# Altium PCB BLDC_DRIVER_1.1_one_side.PcbDoc (part 3 of 3)
Units mil, origin at the board's own origin, x right, y up, seen from the top; angles counter-clockwise.
Board outline 6000 x 4990 mil, 2 copper layers (Top Layer, Bottom Layer), stack 15.5 mil thick; 192 components, 186 nets, 852 pads, 446 vias.
Unrouted connection lines stored in the file: 8.
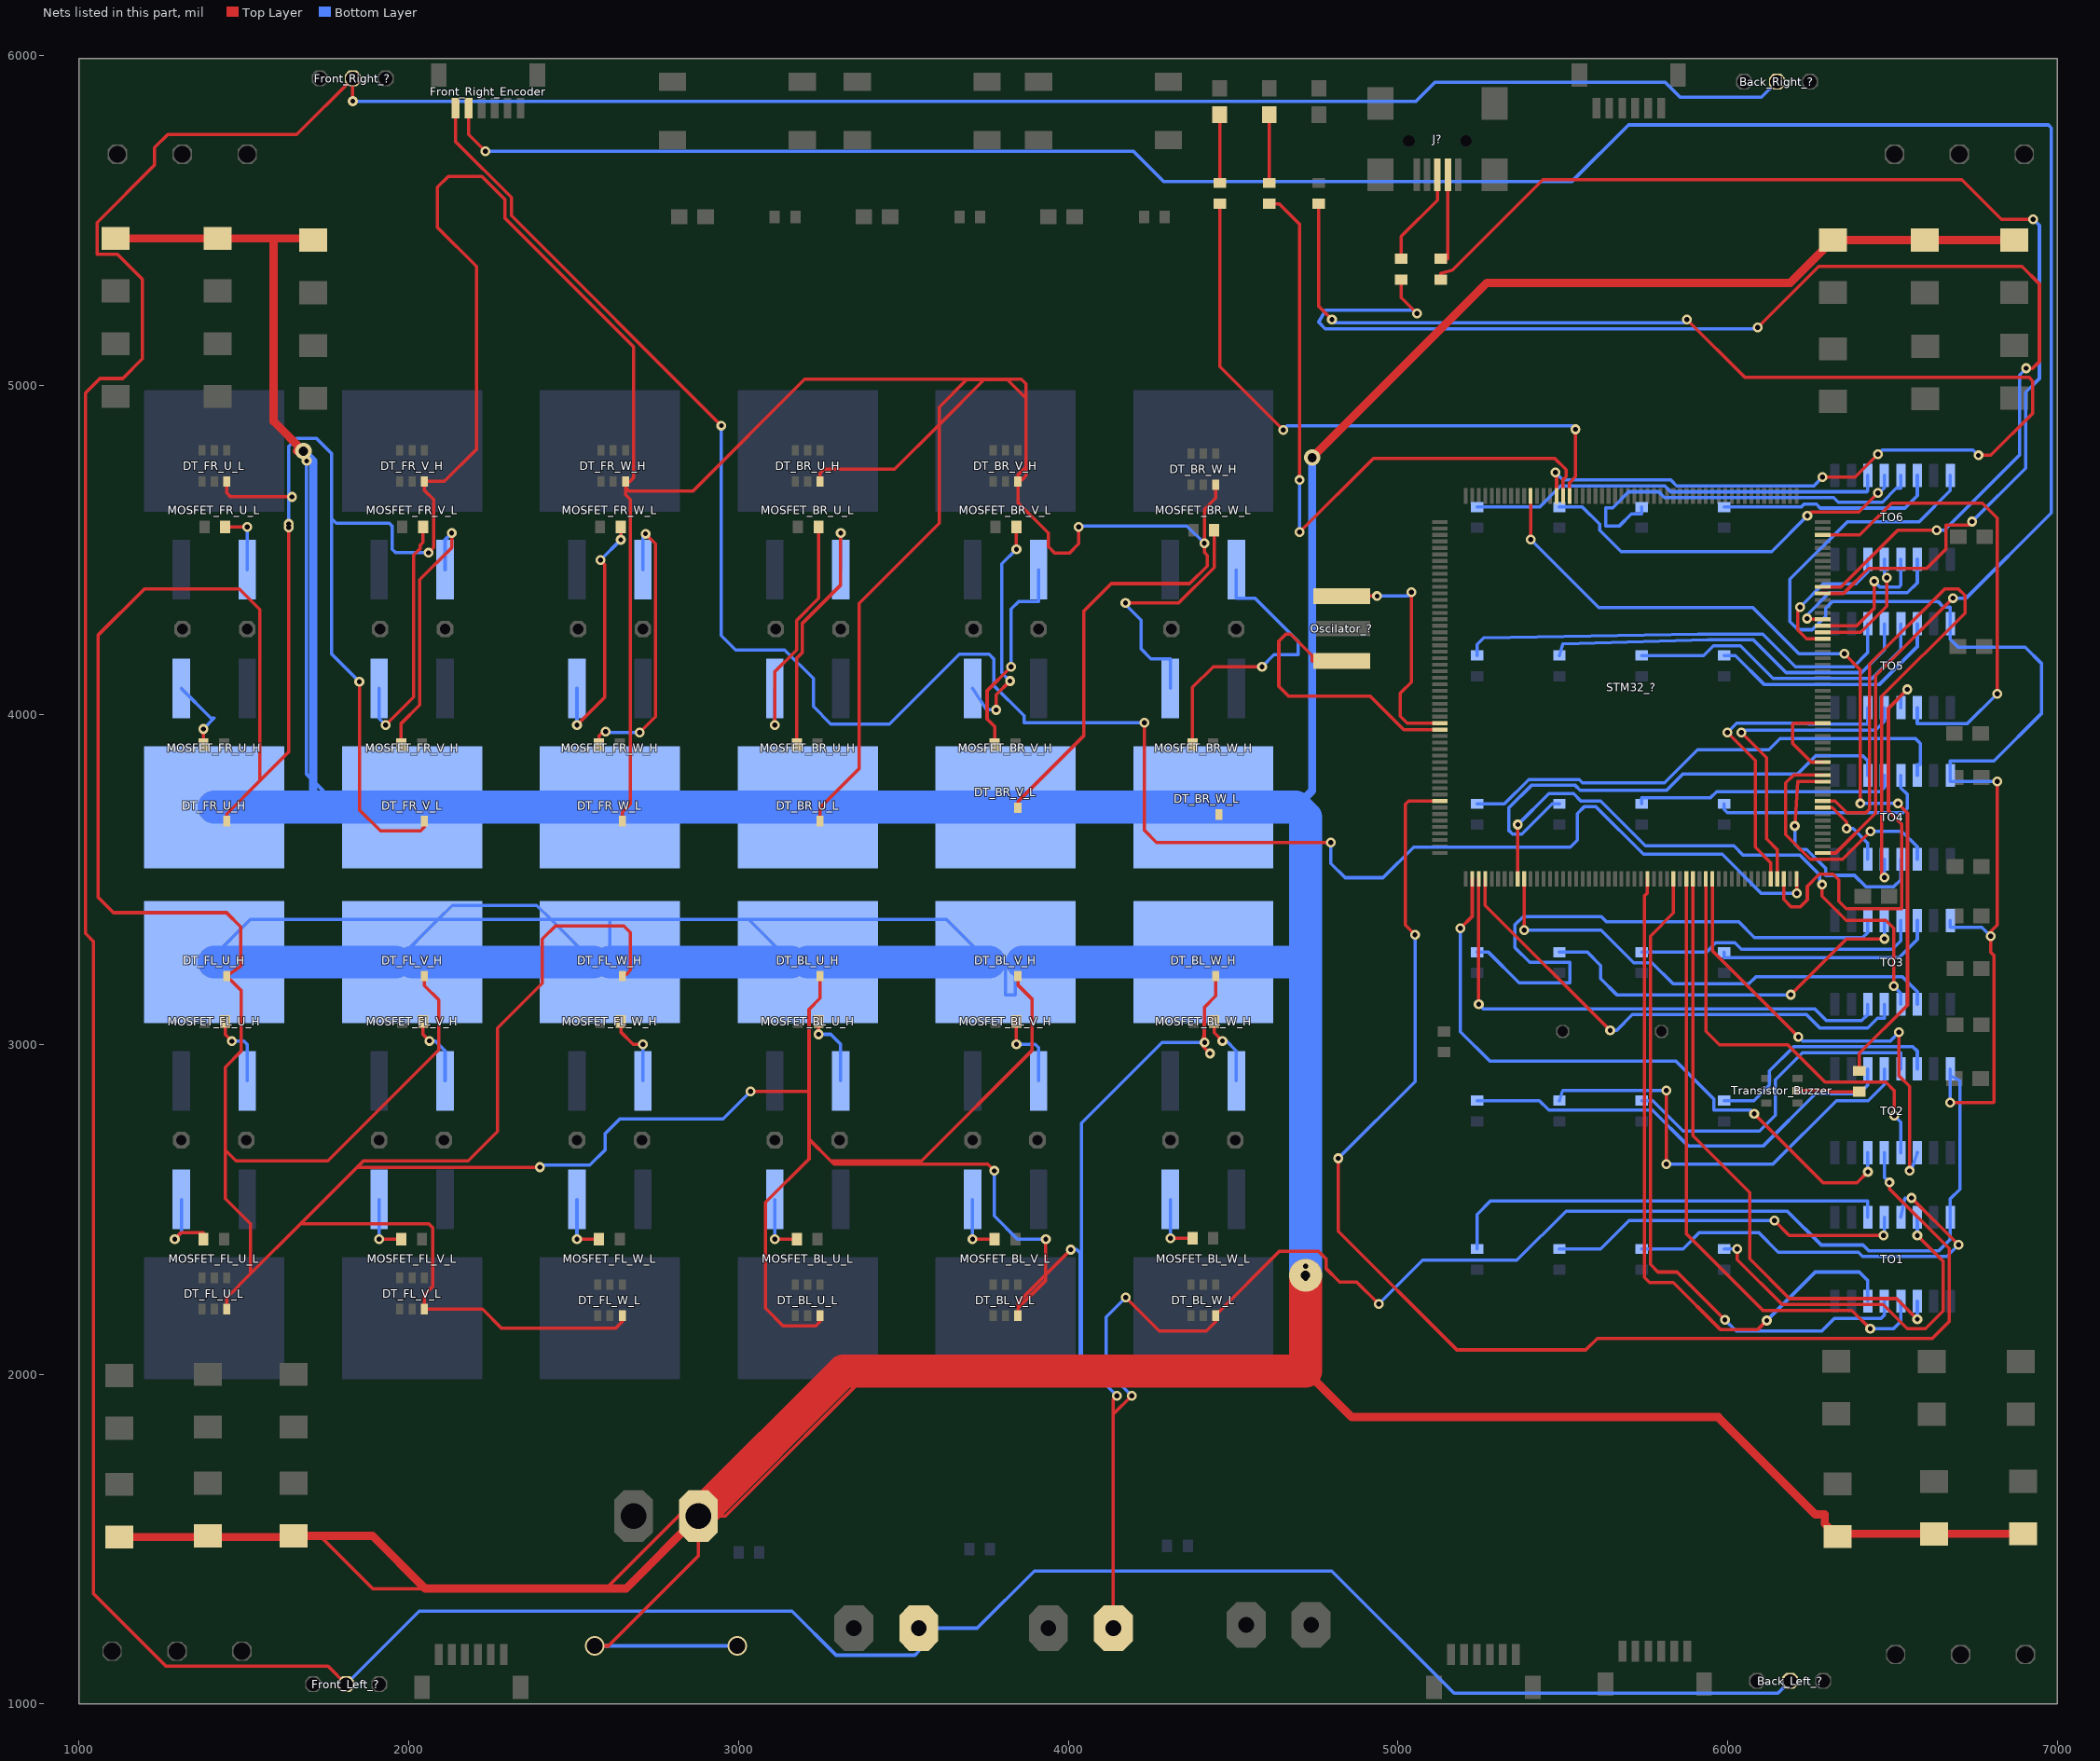
[diagram p3: the nets of this part, all layers, seen from the top]

## Via types
v1: diameter 30, hole 15, Top Layer to Bottom Layer, 425 vias
v2: diameter 50, hole 28, Top Layer to Bottom Layer, 14 vias
v3: diameter 160, hole 160, Top Layer to Bottom Layer, 4 vias
v4: diameter 59.06, hole 47.24, Top Layer to Bottom Layer, 2 vias
v5: diameter 100, hole 28, Top Layer to Bottom Layer, 1 vias

## Nets (pads, with @x,y where several pads share a name; then routed paths per layer and width w, separated by ;. In a path a pad name is that pad's centre, name@x,y a point inside that pad or via, vN(x,y) a via of type N, cw(c..) or ccw(c..) an arc to the next point about the centre after c; other vN are vias at no path point) (continued)
NetFront_Right_Encoder_5: Front_Right_Encoder.5 STM32_?.105 | length 7546.9
  Top Layer w10: Front_Right_Encoder.5@2181.34,5839.61 2181.34,5759.66 v1(2232,5709) ; STM32_?.105@6288.58,3580.94 6328.15,3580.94 6449,3701.8 6449,4119 v1(6684,4354)
  Bottom Layer w10: v1(2232,5709) 4198,5709 4289.25,5617.75 5528.21,5617.75 5699.46,5789 6973,5789 6982,5780 6982,4612 6724,4354 v1(6684,4354)
NetFront_Right_Encoder_6: Front_Right_Encoder.6 STM32_?.104 | length 6300.6
  Top Layer w10: Front_Right_Encoder.6@2141.97,5839.61 2141.97,5738.03 2311,5569 2311,5514 v1(2948,4877) ; v1(4231,3976) 4231,3650 4268,3613 v1(4797,3613) ; v1(6209.84,3459) STM32_?.104@6209.84,3502.2
  Bottom Layer w10: v1(2948,4877) 2948,4240 2991,4197 3140,4197 3227,4110 3227,4025 3280,3972 3458,3972 3670,4184 3760,4184 3774,4170 3774,4089 3866,3997 3866,3976 v1(4231,3976) ; v1(4797,3613) 4797,3549 4840,3506 4955,3506 5048,3599 5523,3599 5544,3620 5544,3700 5565,3721 5601,3721 5745,3577 5984,3577 6102,3459 v1(6209.84,3459)
NetG_1: G.1 R180_LED_G.2 | length 207
  Top Layer w10: R180_LED_G.2@4610,5613 G.1@4610,5820
NetJ?_2: J?.2 R22_D-.2 | length 275.9
  Top Layer w10: R22_D-.2@5130,5383 5151.5,5383 J?.2@5151.5,5637.44
NetJ?_3: J?.3 R22_D+.2 | length 300
  Top Layer w10: R22_D+.2@5010,5383 5010,5451 5120,5561 J?.3@5120,5637.44
NetMOSFET_BL_U_H_G: MOSFET_BL_U_H.G R_BL_U_H.2 | length 229.4
  Top Layer w10: v1(3243,3031) R_BL_U_H.2@3243,3070
  Bottom Layer w10: v1(3243,3031) 3280,3031 3310,3001 MOSFET_BL_U_H.G@3310,2890
NetMOSFET_BL_U_L_G: MOSFET_BL_U_L.G R_BL_U_L.2 | length 187
  Top Layer w10: v1(3110,2410) R_BL_U_L.2@3177,2410
  Bottom Layer w10: v1(3110,2410) MOSFET_BL_U_L.G@3110,2530
NetMOSFET_BL_V_H_G: MOSFET_BL_V_H.G R_BL_V_H.2 | length 241.1
  Top Layer w10: v1(3843,3001) R_BL_V_H.2@3843,3070
  Bottom Layer w10: v1(3843,3001) 3900,3001 3910,2991 MOSFET_BL_V_H.G@3910,2890
NetMOSFET_BL_V_L_G: MOSFET_BL_V_L.G R_BL_V_L.2 | length 187
  Top Layer w10: v1(3710,2410) R_BL_V_L.2@3777,2410
  Bottom Layer w10: v1(3710,2410) MOSFET_BL_V_L.G@3710,2530
NetMOSFET_BL_W_H_G: MOSFET_BL_W_H.G R_BL_W_H.2 | length 214.8
  Top Layer w10: R_BL_W_H.2@4443,3070 4443,3036 v1(4468,3011)
  Bottom Layer w10: v1(4468,3011) 4480,3011 4510,2981 MOSFET_BL_W_H.G@4510,2890
NetMOSFET_BL_W_L_G: MOSFET_BL_W_L.G R_BL_W_L.2 | length 184.7
  Top Layer w10: v1(4310,2412.28) R_BL_W_L.2@4377,2412.28
  Bottom Layer w10: v1(4310,2412.28) MOSFET_BL_W_L.G@4310,2530
NetMOSFET_BR_U_H_G: MOSFET_BR_U_H.G R_BR_U_H.2 | length 767.1
  Top Layer w10: v1(3110,3969) 3110,4130.85 3176.15,4197 3176.15,4286.15 3243,4353 R_BR_U_H.2@3243,4570
  Bottom Layer w10: v1(3110,3969) MOSFET_BR_U_H.G@3110,4080
NetMOSFET_BR_U_L_G: MOSFET_BR_U_L.G R_BR_U_L.2 | length 807.1
  Top Layer w10: R_BR_U_L.2@3177,3910 3177,4172 3194.15,4189.15 3194.15,4278 3310,4393.85 v1(3310,4551)
  Bottom Layer w10: MOSFET_BR_U_L.G@3310,4440 v1(3310,4551)
NetMOSFET_BR_V_H_G: MOSFET_BR_V_H.G R_BR_V_H.2 | length 707.5
  Top Layer w10: v1(3782,4015) 3782,4061 v1(3823.5,4102.5) ; v1(3843,4502) R_BR_V_H.2@3843,4570
  Bottom Layer w10: MOSFET_BR_V_H.G@3710,4080 3753,4015 v1(3782,4015) ; v1(3823.5,4102.5) 3799,4127 3799,4458 v1(3843,4502)
NetMOSFET_BR_V_L_G: MOSFET_BR_V_L.G R_BR_V_L.2 | length 639.3
  Top Layer w10: R_BR_V_L.2@3777,3910 3777,3964 3754,3987 3754,4073 v1(3827,4146)
  Bottom Layer w10: v1(3827,4146) 3827,4321 3850,4344 3910,4344 MOSFET_BR_V_L.G@3910,4440
NetMOSFET_BR_W_H_G: MOSFET_BR_W_H.G R_BR_W_H.2 | length 778.7
  Top Layer w10: v1(4174,4339.08) 4335.08,4339.08 4443,4447 R_BR_W_H.2@4443,4560
  Bottom Layer w10: v1(4174,4339.08) 4171.59,4336.67 4221,4287.27 4221,4200 4251,4170 4310,4170 MOSFET_BR_W_H.G@4310,4080
NetMOSFET_BR_W_L_G: MOSFET_BR_W_L.G R_BR_W_L.2 | length 902.4
  Top Layer w10: R_BR_W_L.2@4377,3910 4377,4083 4440,4146 v1(4588,4146)
  Bottom Layer w10: MOSFET_BR_W_L.G@4510,4440 4510,4354 4566.31,4354 4697,4223.31 4697,4182 4624,4182 v1(4588,4146)
NetMOSFET_FL_U_H_G: MOSFET_FL_U_H.G R_FL_U_H.2 | length 229.4
  Top Layer w10: R_FL_U_H.2@1443,3070 1443,3030 v1(1463,3010)
  Bottom Layer w10: v1(1463,3010) 1500,3010 1510,3000 MOSFET_FL_U_H.G@1510,2890
NetMOSFET_FL_U_L_G: MOSFET_FL_U_L.G R_FL_U_L.2 | length 243.6
  Top Layer w10: v1(1290,2410) 1310,2430 1377,2430 R_FL_U_L.2@1377,2410
  Bottom Layer w10: v1(1290,2410) 1310,2430 MOSFET_FL_U_L.G@1310,2530
NetMOSFET_FL_V_H_G: MOSFET_FL_V_H.G R_FL_V_H.2 | length 217.7
  Top Layer w10: R_FL_V_H.2@2043,3070 2043,3031 v1(2063,3011)
  Bottom Layer w10: v1(2063,3011) 2080,3011 2110,2981 MOSFET_FL_V_H.G@2110,2890
NetMOSFET_FL_V_L_G: MOSFET_FL_V_L.G R_FL_V_L.2 | length 187
  Top Layer w10: v1(1910,2410) R_FL_V_L.2@1977,2410
  Bottom Layer w10: v1(1910,2410) MOSFET_FL_V_L.G@1910,2530
NetMOSFET_FL_W_H_G: MOSFET_FL_W_H.G R_FL_W_H.2 | length 225.3
  Top Layer w10: R_FL_W_H.2@2643,3070 2643,3038 2680,3001 v1(2710,3001)
  Bottom Layer w10: MOSFET_FL_W_H.G@2710,2890 v1(2710,3001)
NetMOSFET_FL_W_L_G: MOSFET_FL_W_L.G R_FL_W_L.2 | length 187
  Top Layer w10: v1(2510,2410) R_FL_W_L.2@2577,2410
  Bottom Layer w10: v1(2510,2410) MOSFET_FL_W_L.G@2510,2530
NetMOSFET_FR_U_H_G: MOSFET_FR_U_H.G R_FR_U_H.2 | length 230.9
  Top Layer w10: R_FR_U_H.2@1377,3910 v1(1377,3957)
  Bottom Layer w10: MOSFET_FR_U_H.G@1310,4080 1400,3990 1410,3990 v1(1377,3957)
NetMOSFET_FR_U_L_G: MOSFET_FR_U_L.G R_FR_U_L.2 | length 197
  Top Layer w10: R_FR_U_L.2@1443,4570 v1(1510,4570)
  Bottom Layer w10: MOSFET_FR_U_L.G@1510,4440 v1(1510,4570)
NetMOSFET_FR_V_H_G: MOSFET_FR_V_H.G R_FR_V_H.2 | length 767.1
  Top Layer w10: v1(1930,3969) 2015,4054 2015,4485 2034,4504 2034,4514 2043,4523 R_FR_V_H.2@2043,4570
  Bottom Layer w10: MOSFET_FR_V_H.G@1910,4080 1910,3989 v1(1930,3969)
NetMOSFET_FR_V_L_G: MOSFET_FR_V_L.G R_FR_V_L.2 | length 823.7
  Top Layer w10: R_FR_V_L.2@1977,3910 1977,3973.87 2033,4029.87 2033,4410 2130,4507 v1(2130,4551)
  Bottom Layer w10: MOSFET_FR_V_L.G@2110,4440 2110,4531 v1(2130,4551)
NetMOSFET_FR_W_H_G: MOSFET_FR_W_H.G R_FR_W_H.2 | length 778
  Top Layer w10: v1(2510,3969) 2594.15,4053.15 2594.15,4455.85 v1(2581,4469) ; v1(2643,4531) R_FR_W_H.2@2643,4570
  Bottom Layer w10: v1(2510,3969) MOSFET_FR_W_H.G@2510,4080 ; v1(2581,4469) v1(2643,4531)
NetMOSFET_FR_W_L_G: MOSFET_FR_W_L.G R_FR_W_L.2 | length 903.2
  Top Layer w10: R_FR_W_L.2@2577,3910 2577,3936 2590,3949 v1(2597,3949) ; v1(2700,3946) 2748,3994 2748,4519 v1(2718,4549)
  Bottom Layer w10: v1(2597,3949) 2600,3946 v1(2700,3946) ; MOSFET_FR_W_L.G@2710,4440 2710,4541 v1(2718,4549)
NetOscilator_?_1: Oscilator_?.1 STM32_?.32 | length 734.4
  Top Layer w10: Oscilator_?.1@4830,4360 v1(4937,4360) ; v1(5041,4372) 5041,4099 5007.7,4065.7 5007.7,3995.46 5028.51,3974.65 STM32_?.32@5127.17,3974.65
  Bottom Layer w10: v1(4937,4360) 5029,4360 v1(5041,4372)
NetOscilator_?_3: Oscilator_?.3 STM32_?.33 | length 922.7
  Top Layer w10: Oscilator_?.3@4830,4163.15 4740,4163.15 4740,4179.77 4675.5,4244.27 4660,4244.27 4639,4223.27 4639,4086 4669,4056 4916.96,4056 5018,3954.96 STM32_?.33@5127.17,3954.96
NetR22_D+_1: R22_D+.1 STM32_?.146 | length 4059.5
  Top Layer w10: R22_D+.1@5010,5320 5010,5265 v1(5058,5217) ; v1(6091.06,5175) 6276.34,5360.28 6892.72,5360.28 6946,5307 6946,5071 6926,5051 v1(6906,5051) ; STM32_?.146@6288.58,4388.03 6344.2,4388.03 6516.17,4560 v1(6634,4560)
  Bottom Layer w10: v1(5058,5217) 5048,5227 4780,5227 4760,5191 4780,5171 6087.06,5171 v1(6091.06,5175) ; v1(6634,4560) 6657.83,4560 6886,4788.17 6886,5031 v1(6906,5051)
NetR22_D-_1: R22_D-.1 STM32_?.145 | length 3576.9
  Top Layer w10: R22_D-.1@5130,5320 5130,5339 5166,5349 5440,5623 6711,5623 6831,5503 v1(6927,5503) ; STM32_?.145@6288.58,4368.35 6352.08,4368.35 6427.74,4444 6604,4444 6662,4502 6662,4576 6732,4576 v1(6742,4586)
  Bottom Layer w10: v1(6742,4586) 6904,4748 6904,4978 6946,5020 6946,5484 v1(6927,5503)
NetR180_LED_B_1: R180_LED_B.1 STM32_?.194 | length 4318.7
  Top Layer w10: R180_LED_B.1@4760,5550 4760,5239 v1(4800,5199) ; v1(5478,4735) 5481.5,4731.5 STM32_?.194@5481.5,4663.62 ; v1(5877,5199) 6053,5023 6915.27,5023 6925.6,5012.67 6925.6,4913.92 6798.68,4787 v1(6761,4787) ; v1(6288.32,4721) 6387,4721 v1(6456,4790)
  Bottom Layer w10: v1(4800,5199) 4810,5189 5867,5189 v1(5877,5199) ; v1(5478,4735) 5500.5,4712.5 5827.67,4712.5 5845.67,4694.5 6261.82,4694.5 v1(6288.32,4721) ; v1(6456,4790) 6469,4803 6745,4803 v1(6761,4787)
NetR180_LED_G_1: R180_LED_G.1 STM32_?.193 | length 2050.6
  Top Layer w10: R180_LED_G.1@4610,5550 4640,5550 4702,5488 v1(4702,4712) ; v1(4702,4554) 4926,4778 5476,4778 5510,4744 5510,4722 5501.18,4713.18 STM32_?.193@5501.18,4663.62
  Bottom Layer w10: v1(4702,4554) v1(4702,4712)
NetR180_LED_R_1: R180_LED_R.1 STM32_?.192 | length 1871.5
  Top Layer w10: R180_LED_R.1@4460,5550 4460,5056 v1(4652,4864) ; STM32_?.192@5520.87,4663.62 5520.87,4704 5539,4722.13 v1(5539,4866)
  Bottom Layer w10: v1(4652,4864) 4664,4876 5529,4876 v1(5539,4866)
NetR180_LED_R_2: R180_LED_R.2 R.1 | length 207
  Top Layer w10: R180_LED_R.2@4460,5613 R.1@4460,5820
NetR_DT_BL_U_H_1: R_DT_BL_U_H.1 TO2.13 | length 1033.8
  Bottom Layer w10: R_DT_BL_U_H.1@5740,2830 5773,2830 5865,2738 6097.62,2738 6145.45,2785.84 6145.45,2893.45 6227,2975 6525.67,2975 TO2.13@6525.67,2926.22
NetR_DT_BL_U_L_1: R_DT_BL_U_L.1 TO3.12 | length 1188.4
  Top Layer w10: v1(6192,3151) 6361.67,3320.67 v1(6475.67,3320.67)
  Bottom Layer w10: R_DT_BL_U_L.1@5490,3280 5575,3280 5615,3240 5615,3200 5664,3151 v1(6192,3151) ; v1(6475.67,3320.67) TO3.12@6475.67,3376.22
NetR_DT_BL_V_H_1: R_DT_BL_V_H.1 TO2.14 | length 737.5
  Bottom Layer w10: R_DT_BL_V_H.1@5990,2830 6080,2830 6127,2877 6127,2920 6200,2993 6562.67,2993 6575.67,2980 TO2.14@6575.67,2926.22
NetR_DT_BL_V_L_1: R_DT_BL_V_L.1 TO3.13 | length 878.2
  Bottom Layer w10: R_DT_BL_V_L.1@5740,3280 5936,3280 5964.5,3308.5 6022,3308.5 6041.83,3288.67 6500,3288.67 6525.67,3314.34 TO3.13@6525.67,3376.22
NetR_DT_BL_W_H_1: R_DT_BL_W_H.1 TO3.11 | length 1788.2
  Bottom Layer w10: R_DT_BL_W_H.1@5240,3280 5275,3280 5368,3187 5522,3187 5522,3249 5400,3249 5355,3294 5355,3363.33 5380,3388.33 5617.12,3388.33 5632.46,3372.99 6033.04,3372.99 6082.03,3324 6410,3324 6425.67,3339.67 TO3.11@6425.67,3376.22
NetR_DT_BL_W_L_1: R_DT_BL_W_L.1 TO3.14 | length 683.3
  Bottom Layer w10: R_DT_BL_W_L.1@5990,3280 5990,3263 6520,3263 6575.67,3318.67 TO3.14@6575.67,3376.22
NetR_DT_BR_U_H_1: R_DT_BR_U_H.1 TO5.13 | length 953.9
  Bottom Layer w10: R_DT_BR_U_H.1@5740,4180 5927.98,4180 5956.98,4209 6039.48,4209 6138.48,4110 6438.53,4110 6525.67,4197.14 TO5.13@6525.67,4276.22
NetR_DT_BR_U_L_1: R_DT_BR_U_L.1 TO6.12 | length 1169.9
  Top Layer w10: v1(6242,4603.5) 6253.5,4615 6398,4615 v1(6456,4673)
  Bottom Layer w10: R_DT_BR_U_L.1@5490,4630 5560,4630 5612,4578 5612,4560 5677,4495 6133.5,4495 v1(6242,4603.5) ; v1(6456,4673) 6460,4673 6475.67,4688.67 TO6.12@6475.67,4726.22
NetR_DT_BR_V_H_1: R_DT_BR_V_H.1 TO5.14 | length 739.5
  Bottom Layer w10: R_DT_BR_V_H.1@5990,4180 6023.45,4180 6112.13,4091.32 6459.89,4091.32 6575.67,4207.1 TO5.14@6575.67,4276.22
NetR_DT_BR_V_L_1: R_DT_BR_V_L.1 TO6.13 | length 1186.6
  Bottom Layer w10: R_DT_BR_V_L.1@5740,4630 5740,4609 5708,4609 5671,4572 5630.66,4572 5630.66,4628 5651.5,4628 5700,4676.5 5791,4676.5 5809,4658.5 6322.25,4658.5 6335.75,4645 6470,4645 6511.67,4686.67 6525.67,4686.67 TO6.13@6525.67,4726.22
NetR_DT_BR_W_H_1: R_DT_BR_W_H.1 TO6.11 | length 1267.5
  Bottom Layer w10: R_DT_BR_W_H.1@5240,4630 5429.5,4630 5494,4694.5 5809.67,4694.5 5827.67,4676.5 6422.17,4676.5 6425.67,4680 TO6.11@6425.67,4726.22
NetR_DT_BR_W_L_1: R_DT_BR_W_L.1 TO6.14 | length 671.5
  Bottom Layer w10: R_DT_BR_W_L.1@5990,4630 6223,4630 6232,4639 6269.25,4639 6281.25,4627 6538,4627 6575.67,4664.67 TO6.14@6575.67,4726.22
NetR_DT_FL_U_H_1: R_DT_FL_U_H.1 TO1.11 | length 1356
  Bottom Layer w10: R_DT_FL_U_H.1@5240,2380 5240,2485 5280,2525 6425.67,2525 TO1.11@6425.67,2476.22
NetR_DT_FL_U_L_1: R_DT_FL_U_L.1 TO1.14 | length 1122
  Top Layer w10: v1(6029,2380) 6029,2348 6165.5,2211.5 6472,2211.5 6545.5,2138 6600,2138 6654,2192 6654,2342.67 v1(6575.67,2421)
  Bottom Layer w10: R_DT_FL_U_L.1@5990,2380 v1(6029,2380) ; v1(6575.67,2421) TO1.14@6575.67,2476.22
NetR_DT_FL_V_H_1: R_DT_FL_V_H.1 TO1.12 | length 1093.6
  Top Layer w10: v1(6142,2466) 6187,2421 v1(6473,2421)
  Bottom Layer w10: R_DT_FL_V_H.1@5490,2380 5615,2380 5701,2466 v1(6142,2466) ; v1(6473,2421) 6475.67,2423.67 TO1.12@6475.67,2476.22
NetR_DT_FL_V_L_1: R_DT_FL_V_L.1 TO2.11 | length 1367.5
  Bottom Layer w10: R_DT_FL_V_L.1@5240,2830 5429,2830 5458,2801 5772,2801 5880,2693 6109,2693 6267,2851 6399,2851 6425.67,2877.67 TO2.11@6425.67,2926.22
NetR_DT_FL_W_H_1: R_DT_FL_W_H.1 TO1.13 | length 1306.2
  Top Layer w10: v1(6558.33,2534.67) v1(6700.5,2392.5)
  Bottom Layer w10: R_DT_FL_W_H.1@5740,2380 5865,2380 5914,2429 6095,2429 6154,2370 6396.83,2370 6409.83,2357 6665,2357 v1(6700.5,2392.5) ; TO1.13@6525.67,2476.22 6538.34,2534.67 v1(6558.33,2534.67)
NetR_DT_FL_W_L_1: R_DT_FL_W_L.1 TO2.12 | length 1379.9
  Top Layer w10: v1(5814,2637) v1(5814,2861)
  Bottom Layer w10: R_DT_FL_W_L.1@5490,2830 5500,2861 v1(5814,2861) ; v1(5814,2637) 6137.44,2637 6330.44,2830 6427,2830 6475.67,2878.67 TO2.12@6475.67,2926.22
NetR_DT_FR_U_H_1: R_DT_FR_U_H.1 TO4.11 | length 1481.4
  Bottom Layer w10: R_DT_FR_U_H.1@5490,3730 5468,3730 5376,3638 5348,3638 5336,3650 5336,3717 5405,3786 5538,3786 5552.7,3771.3 5815.3,3771.3 5864,3820 6212,3820 6267,3875 6410.67,3875 6425.67,3860 TO4.11@6425.67,3816.22
NetR_DT_FR_U_L_1: R_DT_FR_U_L.1 TO4.14 | length 1547.6
  Bottom Layer w10: R_DT_FR_U_L.1@5240,3730 5323,3730 5397,3804 5550,3804 5560,3794 5809,3794 5909,3894 6125,3894 6159,3928 6570,3928 6585,3913 6585,3849 6575.67,3849 TO4.14@6575.67,3816.22
NetR_DT_FR_V_H_1: R_DT_FR_V_H.1 TO4.12 | length 803.7
  Bottom Layer w10: R_DT_FR_V_H.1@5740,3730 5740,3749 5949,3749 5967,3767 6462.67,3767 6475.67,3780 TO4.12@6475.67,3816.22
NetR_DT_FR_V_L_1: R_DT_FR_V_L.1 TO5.11 | length 1373.2
  Bottom Layer w10: R_DT_FR_V_L.1@5240,4180 5240,4213.24 5260,4233.24 5910,4245 6107,4245 6206,4146 6382.43,4146 6425.67,4189.24 TO5.11@6425.67,4276.22
NetR_DT_FR_W_H_1: R_DT_FR_W_H.1 TO4.13 | length 689.8
  Bottom Layer w10: R_DT_FR_W_H.1@5990,3730 5990,3713 6000,3703 6532,3703 6545,3716 6545,3759 6525.67,3778.33 TO4.13@6525.67,3816.22
NetR_DT_FR_W_L_1: R_DT_FR_W_L.1 TO5.12 | length 1161.2
  Bottom Layer w10: R_DT_FR_W_L.1@5490,4180 5500,4215 5940,4227 6079,4227 6178,4128 6407,4128 6475.67,4196.67 TO5.12@6475.67,4276.22
NetR_TRANSISTOR_Buzzer_1: R_TRANSISTOR_Buzzer.1 STM32_?.198 | length 2698.4
  Top Layer w10: v1(5402.76,4532) STM32_?.198@5402.76,4663.62 ; v1(6354,4185) 6403,4136 v1(6403,3731) ; R_TRANSISTOR_Buzzer.1@6400,2920 6400,2973.45 6546,3119.45 6546,3702 v1(6517,3731)
  Bottom Layer w10: v1(5402.76,4532) 5609.76,4325 6076.66,4325 6216.66,4185 v1(6354,4185) ; v1(6403,3731) v1(6517,3731)
NetR_TRANSISTOR_Buzzer_2: R_TRANSISTOR_Buzzer.2 Transistor_Buzzer.2 | length 189
  Top Layer w10: Transistor_Buzzer.2@6212.2,2860 6307,2860 6310,2857 R_TRANSISTOR_Buzzer.2@6400,2857
NetSTM32_?_44: STM32_?.44 TO2.5 | length 4142.6
  Top Layer w10: v1(4819,2655) 4819,2433.91 5178.91,2074 5570,2074 5605,2109 6621,2109 6672,2160 6672,2381 6491,2562 v1(6491,2581.67) ; v1(5052,3333) 5023,3362 5023,3729 5032.43,3738.43 STM32_?.44@5127.17,3738.43
  Bottom Layer w10: v1(4819,2655) 5052,2888 v1(5052,3333) ; TO2.5@6475.67,2671.89 6475.67,2597 v1(6491,2581.67)
NetSTM32_?_54: STM32_?.54 TO2.6 | length 1994.9
  Top Layer w10: v1(5190,3353) 5225.59,3388.59 STM32_?.54@5225.59,3502.2 ; v1(6081,2790) 6290,2581 6392.67,2581 v1(6425.67,2614)
  Bottom Layer w10: v1(5190,3353) 5190,3038.64 5278.39,2950.25 5842.62,2950.25 5958,2834.87 5958,2801 6070,2801 v1(6081,2790) ; v1(6425.67,2614) TO2.6@6425.67,2671.89
NetSTM32_?_55: STM32_?.55 TO3.6 | length 1618.8
  Top Layer w10: v1(5245.28,3122) STM32_?.55@5245.28,3502.2
  Bottom Layer w10: v1(5245.28,3122) 5258.59,3108.69 6264.31,3108.69 6300,3073 6407,3073 6425.67,3091.67 TO3.6@6425.67,3121.89
NetSTM32_?_56: STM32_?.56 TO3.5 | length 1538.8
  Top Layer w10: STM32_?.56@5264.96,3502.2 5264.96,3422.04 v1(5644,3043)
  Bottom Layer w10: v1(5644,3043) 5664,3043 5711.69,3090.69 6239.31,3090.69 6280,3050 6424.74,3050 6454.74,3080 6475.67,3080 TO3.5@6475.67,3121.89
NetSTM32_?_61: STM32_?.61 TO3.4 | length 1786.5
  Top Layer w10: STM32_?.61@5363.39,3502.2 5363.39,3666 5364,3666.61 v1(5364,3667) ; v1(6287,3485) 6287,3450 6360,3377 6480,3377 6504,3353 v1(6504,3177)
  Bottom Layer w10: v1(5364,3667) 5458,3761 5533,3761 5555,3739 5614.94,3739 5750.94,3603 6019,3603 6048,3574 6220,3574 6280,3514 6280,3495 6287,3488 v1(6287,3485) ; v1(6504,3177) 6525.67,3155.33 TO3.4@6525.67,3121.89
NetSTM32_?_62: STM32_?.62 TO3.3 | length 1480.8
  Top Layer w10: v1(5383.07,3347) STM32_?.62@5383.07,3502.2
  Bottom Layer w10: v1(5383.07,3347) 5616,3347 5715,3248 5771,3248 5835,3184 6065,3184 6086,3205 6530.67,3205 6575.67,3160 TO3.3@6575.67,3121.89
NetSTM32_?_81: STM32_?.81 TO1.6 | length 2100.2
  Top Layer w10: STM32_?.81@5757.09,3502.2 5757.09,3460 5748,3450.91 5748,2294 5764,2278 5835.8,2278 5977.77,2136.03 6092.03,2136.03 v1(6119,2163)
  Bottom Layer w10: v1(6119,2163) 6266,2310 6400,2310 6425.67,2284.33 TO1.6@6425.67,2221.89
NetSTM32_?_85: STM32_?.85 TO1.5 | length 2053.7
  Top Layer w10: STM32_?.85@5835.83,3502.2 5835.83,3398.83 5766,3329 5766,2333 5789,2310 5847,2310 v1(5992,2165)
  Bottom Layer w10: v1(5992,2165) 6026,2131 6286,2131 6325,2170 6465.67,2170 6475.67,2180 TO1.5@6475.67,2221.89
NetSTM32_?_87: STM32_?.87 TO1.4 | length 1917
  Top Layer w10: STM32_?.87@5875.2,3502.2 5875.2,2426 6107.7,2193.5 6377.5,2193.5 v1(6433,2138)
  Bottom Layer w10: v1(6433,2138) 6503.67,2138 6525.67,2160 TO1.4@6525.67,2221.89
NetSTM32_?_88: STM32_?.88 TO1.3 | length 1862.9
  Top Layer w10: STM32_?.88@5894.88,3502.2 5894.88,2723.12 6067,2551 6067,2350 6187.5,2229.5 6513.17,2229.5 v1(6575.67,2167)
  Bottom Layer w10: v1(6575.67,2167) TO1.3@6575.67,2221.89
NetSTM32_?_90: STM32_?.90 TO2.4 | length 1304.8
  Top Layer w10: STM32_?.90@5934.25,3502.2 5934.25,3040 5975.25,2999 6182.83,2999 6295.83,2886 6480,2886 6506,2860 v1(6506,2784)
  Bottom Layer w10: v1(6506,2784) 6525.67,2764.33 TO2.4@6525.67,2671.89
NetSTM32_?_91: STM32_?.91 TO2.3 | length 1401.9
  Top Layer w10: STM32_?.91@5953.94,3502.2 5953.94,3284.06 v1(6215,3023) ; v1(6520,3037) 6520,2905 6552,2873 v1(6552,2617)
  Bottom Layer w10: v1(6215,3023) 6227,3011 6494,3011 v1(6520,3037) ; v1(6552,2617) 6559,2624 TO2.3@6575.67,2671.89
NetSTM32_?_100: STM32_?.100 TO5.6 | length 985.2
  Top Layer w10: v1(6000,3946) 6084,3862 6084,3598.48 6131.1,3551.37 STM32_?.100@6131.1,3502.2
  Bottom Layer w10: v1(6000,3946) 6028.15,3974.15 6244.05,3974.15 6247.01,3971.18 6422,3971.18 6425.67,3974.85 TO5.6@6425.67,4021.89
NetSTM32_?_101: STM32_?.101 TO5.5 | length 978.5
  Top Layer w10: v1(6042,3946) 6118,3870 6118,3623.79 6150.79,3591 STM32_?.101@6150.79,3502.2
  Bottom Layer w10: v1(6042,3946) 6049.18,3953.18 6448.85,3953.18 6475.67,3980 TO5.5@6475.67,4021.89
NetSTM32_?_102: STM32_?.102 TO5.4 | length 1344.5
  Top Layer w10: STM32_?.102@6170.47,3502.2 6170.47,3440 6193.47,3417 6220,3417 6242.01,3439.01 6242.01,3480 6278.31,3516.3 6320.7,3516.3 6337,3500 6337,3435 6360,3412 6528,3412 6528,3668.34 6488,3708.34 6488,4019.33 v1(6545.67,4077)
  Bottom Layer w10: TO5.4@6525.67,4021.89 6525.67,4057 v1(6545.67,4077)
NetSTM32_?_112: STM32_?.112 TO4.6 | length 242.1
  Top Layer w10: STM32_?.112@6288.58,3718.74 6317.26,3718.74 6361,3675 v1(6361,3655)
  Bottom Layer w10: v1(6361,3655) 6381,3655 6425.67,3610.33 TO4.6@6425.67,3561.89
NetSTM32_?_113: STM32_?.113 TO4.5 | length 2011
  Top Layer w10: STM32_?.113@6288.58,3738.43 6326,3738.43 6361.43,3703 6420,3703 6431,3714 6431,4154 6659,4382 6700,4382 6720.25,4361.75 6720.25,4308.39 6468,4056.14 6468,3514.67 v1(6475.67,3507)
  Bottom Layer w10: v1(6475.67,3507) TO4.5@6475.67,3561.89
NetSTM32_?_116: STM32_?.116 TO4.4 | length 724.3
  Top Layer w10: v1(6204,3663) 6212.58,3797.48 STM32_?.116@6288.58,3797.48
  Bottom Layer w10: v1(6204,3663) 6204,3608 6220,3592 6240,3592 6298.5,3533.5 6298.5,3513 6385,3513 6420,3478 6503.67,3478 6525.67,3500 TO4.4@6525.67,3561.89
NetSTM32_?_117: STM32_?.117 TO4.3 | length 802.2
  Top Layer w10: STM32_?.117@6288.58,3817.17 6200,3817.17 6176,3793.17 6176,3637 6251,3562 6349,3562 v1(6434,3647)
  Bottom Layer w10: v1(6434,3647) 6528.67,3647 6575.67,3600 TO4.3@6575.67,3561.89
NetSTM32_?_119: STM32_?.119 STM32_?.125 | length 265.5
  Top Layer w10: STM32_?.119@6288.58,3856.54 6253.65,3856.54 6198,3912.18 6198,3972.65 6200,3974.65 STM32_?.125@6288.58,3974.65
NetSTM32_?_138: STM32_?.138 TO6.6 | length 447.2
  Top Layer w10: v1(6220,4327) 6213,4320 6213,4257.55 6240,4230.55 STM32_?.138@6288.58,4230.55
  Bottom Layer w10: v1(6220,4327) 6290.77,4397.77 6389.77,4397.77 6425.67,4433.67 TO6.6@6425.67,4471.89
NetSTM32_?_139: STM32_?.139 TO6.5 | length 372.8
  Top Layer w10: STM32_?.139@6288.58,4250.24 6404,4250.24 6483,4329.24 v1(6483,4416)
  Bottom Layer w10: TO6.5@6475.67,4471.89 6475.67,4423.33 v1(6483,4416)
NetSTM32_?_140: STM32_?.140 TO6.4 | length 429.3
  Top Layer w10: STM32_?.140@6288.58,4269.92 6391.92,4269.92 6445,4323 v1(6445,4405)
  Bottom Layer w10: v1(6445,4405) 6462,4388 6521,4388 6525.67,4392.67 TO6.4@6525.67,4471.89
NetSTM32_?_141: STM32_?.141 TO6.3 | length 506
  Top Layer w10: v1(6241,4292) 6243.39,4289.61 STM32_?.141@6288.58,4289.61
  Bottom Layer w10: v1(6241,4292) 6241,4302.39 6308.61,4370 6545.67,4370 6575.67,4400 TO6.3@6575.67,4471.89
NetSTM32_?_154: STM32_?.154 TO5.3 | length 1449.9
  Top Layer w10: STM32_?.154@6288.58,4545.51 6401.51,4545.51 6498,4642 6773,4642 6818,4597 v1(6818,4064)
  Bottom Layer w10: TO5.3@6575.67,4021.89 6575.67,3973 6727,3973 v1(6818,4064)
VCC_5V: 5V_Supply.2 DT_BL_U_H.6 DT_BL_U_L.6 DT_BL_V_H.6 DT_BL_V_L.6 DT_BL_W_H.6 DT_BL_W_L.6 DT_BR_U_H.6 DT_BR_U_L.6 DT_BR_V_H.6 DT_BR_V_L.6 DT_BR_W_H.6 DT_BR_W_L.6 DT_FL_U_H.6 DT_FL_U_L.6 DT_FL_V_H.6 DT_FL_V_L.6 DT_FL_W_H.6 DT_FL_W_L.6 DT_FR_U_H.6 DT_FR_U_L.6 DT_FR_V_H.6 DT_FR_V_L.6 DT_FR_W_H.6 DT_FR_W_L.6 TO1.16 TO2.16 TO3.16 TO4.16 TO5.16 TO6.16 | length 37181.2
  Top Layer w10: DT_FL_U_L.6@1447.4,2197.72 1447.4,2232 1520,2304.6 ; DT_FR_U_H.6@1447.4,3677.72 1447.4,3699 ; DT_FR_U_L.6@1447.4,4707.72 1447.4,4673.19 1459.59,4661 v1(1646,4661) ; v1(1636,4579) v1(1636,4568) 1636,3888 ; v1(1850,4100) 1850,3712 1914,3648 2035.4,3648 2047.4,3660 DT_FR_V_L.6@2047.4,3677.72 ; DT_FL_V_H.6@2047.4,3207.72 2047.4,3179 2091,3135.4 2091,2984 1754,2647 1476,2647 1443,2680 ; v1(2059.89,4491.54) 2075.4,4507.06 2075.4,4652.65 2047.4,4680.65 DT_FR_V_H.6@2047.4,4707.72 2047.4,4708 2108,4708 2205,4805 2205,5360 2087,5478 2087,5600 2120,5633 2221.54,5633 2292.19,5562.35 2292.19,5505.81 2682,5116 2682,4719 2670,4707 DT_FR_W_H.6@2657.4,4707 ; v1(2398,2628) 1843.4,2628 ; DT_FL_W_L.6@2647.4,2177.72 2647.4,2160 2627.4,2140 2281,2140 2223.28,2197.72 DT_FL_V_L.6@2047.4,2197.72 2047.4,2241 2072,2265.6 2072,2445 2060,2457 1672.4,2457 ; DT_FL_W_H.6@2647.4,3207.72 2647.4,3213 2660,3213 2672,3225 2672,3340 2652,3360 2445,3360 2405,3320 2405,3185.6 2269,3049.6 2269,2736 2180,2647 1862.4,2647 1843.4,2628 ; DT_FR_W_L.6@2647.4,3677.72 2647.4,3704.4 2672,3729 2672,4653 2657.4,4667.6 2657.4,4690 ; DT_FR_W_H.6@2657.4,4707.72 DT_FR_W_H.6@2657.4,4707 ; v1(3037,2858) 3214,2858 ; DT_BL_U_L.6@3247.4,2177.72 3247.4,2160 3234.4,2147 3135,2147 3082,2200 3082,2521 3214,2653 3214,2713 ; DT_BL_U_H.6@3247.4,3207.72 3247.4,3140.4 3214,3107 3214,2858 ; DT_BR_U_L.6@3247.4,3677.72 3247.4,3718 3366,3836.6 3366,4338 3609,4581 3609,4880.2 ; DT_BR_U_H.6@3247.4,4707.72 3247.4,4732.2 3260,4744.8 3473.6,4744.8 3609,4880.2 ; v1(3776,2617) 3756,2637 3290,2637 3280,2647 ; DT_BL_V_L.6@3847.4,2177.72 3847.4,2200 ; DT_BL_V_H.6@3847.4,3207.72 3847.4,3180.65 3891,3137.06 3891,2983 3555,2647 3280,2647 ; DT_BR_V_L.6@3847.4,3717.72 3847.4,3736.4 4048,3937 4048,4315 4131,4398 4368.54,4398 4422,4451.46 4422,4484 4414,4492 v1@4414,4520 ; v1(3932,2410) 3932,2302 ; v1(4008,2378) 3932,2302 ; v1(4032,4570) 4032,4518.89 4003.11,4490 3960,4490 3940,4510 3940,4551 3847.4,4643.6 DT_BR_V_H.6@3847.4,4707.72 DT_BR_V_H.6@3847.4,4713 ; 5V_Supply.2@4136.85,1230 4136.85,1878.85 ; v1(4148,1935) 4136.85,1923.85 4136.85,1878.85 ; v1(4174.4,2233) 4276.43,2130.97 4418.97,2130.97 4447.4,2159.4 DT_BL_W_L.6@4447.4,2177.72 4447.4,2179.73 4640,2372.33 4760,2372.33 4783,2349.33 4783,2320 4823,2280 4875.17,2280 v1(4942.17,2213) ; v1(4193,1935) 4136.85,1878.85 ; v1(4413,4520) v1@4414,4520 ; v1(4414,3006.12) 4414,3095.65 ; v1(4430,2973.06) 4410,2993.06 4410.51,3006.26 4414,3095.65 ; DT_BL_W_H.6@4447.4,3207.72 4447.4,3147.4 4414,3114 4414,3095.65 ; DT_BR_W_H.6@4447.4,4697.72 4447.4,4657 4414,4623.6 v1@4414,4520 ; v1(6675.67,2824) 6806,2824 6808,2826 6808,3270 6798,3280 v1(6798,3328.35) 6794,3332.35 6794,3338 6818,3362 v1(6818,3798) ; 1443,2680 1443,2533 1520,2456 1520,2304.6 ; 1443,2680 1443,2931.63 1491,2979.63 1491,3164.12 DT_FL_U_H.6@1447.4,3207.72 1447.4,3208 1490,3237.72 1490,3357 1447,3400 1104,3400 1057,3447 1057,4241 1198,4382 1486,4382 1548,4320 1548,3800 ; 1447.4,3699 1447.4,3699.4 1548,3800 ; 1447.4,3699 1548.2,3799.8 ; 1520,2304.6 1672.4,2457 ; 1548,3800 1636,3888 ; 1548,3800 1548.2,3799.8 ; 1548.2,3799.8 1636,3887.6 1636,3888 ; 1672.4,2457 1843.4,2628 ; 2657.4,4690 DT_FR_W_H.6@2657.4,4707 ; 2657.4,4690 2669.4,4678 2861,4678 3201,5018 3746.8,5018 ; 3214,2713 3214,2858 ; 3214,2713 3280,2647 ; 3609,4880.2 3744.8,5016 ; 3609,4880.2 3609,4933 3692,5016 3744.8,5016 ; 3744.8,5016 3816,5016 3872,4960 ; 3744.8,5016 3746.8,5018 ; 3746.8,5018 3858,5018 3872,5004 3872,4960 ; 3847.4,2200 3847.4,2217.4 3932,2302 ; 3847.4,2200 3932,2284.6 3932,2302 ; DT_BR_V_H.6@3847.4,4713 3860,4713 3872,4725 3872,4752 ; DT_BR_V_H.6@3847.4,4713 3847.4,4727.4 3872,4752 ; 3872,4752 3872,4960
  Bottom Layer w10: v1(1636,4568) v1(1636,4579) v1@1636,4651 ; v1(1646,4661) v1@1636,4651 ; v1(1850,4100) 1766.4,4183.6 1766.4,4594.22 ; v1(2059.89,4491.54) 1960,4491.54 1950,4501.54 1950,4572 1941.39,4580.61 1780,4580.61 1766.4,4594.22 ; v1(2398,2628) 2404,2634 2549,2634 2595,2680 2595,2729 2640,2774 2953,2774 v1(3037,2858) ; v1(3776,2617) 3776,2480 3846,2410 v1(3932,2410) ; v1(4008,2378) 4026,2378 4036,2368 4036,2047 4040,2043 ; v1(4032,4570) 4035,4573 4360,4573 v1(4413,4520) ; v1(4148,1935) 4040,2043 ; v1(4174.4,2233) 4115,2173.6 4115,2013 v1(4193,1935) ; v1(4414,3006.12) 4284.58,3006.12 4040,2761.54 4040,2043 ; v1(4942.17,2213) 5075.17,2346 5361,2346 5510,2495 6181.33,2495 6284.33,2392 6410.72,2392 6427.72,2375 6641.67,2375 6675.67,2409 TO1.16@6675.67,2476.22 6675.67,2532 6704.85,2561.18 6704.85,2890.15 TO2.16@6675.67,2905 ; v1(6675.67,2824) TO2.16@6675.67,2905 ; TO2.16@6675.67,2926.22 TO2.16@6675.67,2905 ; TO3.16@6675.67,3376.22 6675.67,3355 6771.35,3355 v1(6798,3328.35) ; TO6.16@6675.67,4726.22 6675.67,4680 6581.59,4585.92 6363.92,4585.92 6189,4411 6189,4283 6214,4258 6256.78,4258 6298.5,4299.71 6298.5,4324.26 6318.44,4344.21 6637.79,4344.21 6656,4326 6675.67,4326 TO5.16@6675.67,4276.22 6675.67,4229.33 6700,4205 6903,4205 6953.03,4154.97 6953.03,4005.03 6808,3860 6675.67,3860 TO4.16@6675.67,3816.22 6675.67,3798 v1(6818,3798) ; v1@1636,4651 1636,4661 1636,4814 1660,4838 1720,4838 1766.4,4791.6 1766.4,4594.22
VCC_MOTOR: MOSFET_BL_U_H.D MOSFET_BL_V_H.D MOSFET_BL_W_H.D MOSFET_BR_U_H.D MOSFET_BR_V_H.D MOSFET_BR_W_H.D MOSFET_FL_U_H.D MOSFET_FL_V_H.D MOSFET_FL_W_H.D MOSFET_FR_U_H.D MOSFET_FR_V_H.D MOSFET_FR_W_H.D MOTOR_Supply.2 Schottky_diode_BL_U_H.2 Schottky_diode_BL_V_H.2 Schottky_diode_BL_W_H.2 Schottky_diode_BR_U_H.2 Schottky_diode_BR_V_H.2 Schottky_diode_BR_W_H.2 Schottky_diode_FL_U_H.2 Schottky_diode_FL_V_H.2 Schottky_diode_FL_W_H.2 Schottky_diode_FR_U_H.2 Schottky_diode_FR_V_H.2 Schottky_diode_FR_W_H.2 | length 36732
  Top Layer w10: Schottky_diode_FL_V_H.2@1390,1510 Schottky_diode_FL_W_H.2@1650,1510 1730,1510 1890,1350 2050,1350 2598,1350 3298,2050 3440,2050 ; 1606.57,1506.57 Schottky_diode_FL_W_H.2@1646.57,1506.57 ; v2@1660,4800 v1(1690,4770) ; v4(2563.46,1176.3) 2605.7,1176.3 2878.43,1449.03 MOTOR_Supply.2@2878.43,1570 2960,1570 3440,2050 ; v1(4720,2327.78) v5(4720,2300) v1(4720,2291) 4720,2090 4680,2050 3440,2050
  Top Layer w25: Schottky_diode_FR_U_H.2@1110,5445 Schottky_diode_FR_V_H.2@1420,5445 1590,5445 ; Schottky_diode_FL_U_H.2@1122.13,1506.57 1606.57,1506.57 ; Schottky_diode_FL_W_H.2@1646.57,1506.57 Schottky_diode_FL_W_H.2@1650,1510 1890,1510 2050,1350 2658.43,1350 MOTOR_Supply.2@2878.43,1570 ; v2@1660,4800 v2(1680,4800) 1590,4890 1590,5445 ; Schottky_diode_FR_W_H.2@1710,5439.45 1704.45,5445 1590,5445 ; 4720,2010 4860,1870 5971.69,1870 6267.12,1574.57 6295.12,1574.57 6295.12,1546.57 Schottky_diode_BL_U_H.2@6333.62,1508.07 6341.7,1516.15 Schottky_diode_BL_W_H.2@6896.11,1516.15 ; v2(4740,4780) 5270,5310 6190,5310 Schottky_diode_BR_U_H.2@6320,5440 Schottky_diode_BR_W_H.2@6870,5440
  Top Layer w100: MOTOR_Supply.2@2878.43,1570 3318.43,2010 4720,2010 v5(4720,2300)
  Bottom Layer w10: MOSFET_FL_U_H.D@1400.24,3260 1519.24,3379 MOSFET_FL_V_H.D@2088.76,3379 ; v1(1690,4770) 1690,3820 1790,3720 4705,3720 4720,3705 4720,3689.53 4720,3250 4720,3230 ; MOSFET_FL_V_H.D@1960,3250.24 MOSFET_FL_V_H.D@2088.76,3379 ; MOSFET_FL_W_H.D@2560,3250.24 MOSFET_FL_W_H.D@2431.24,3379 ; v4(2563.46,1176.3) v4(2996.54,1176.3) ; MOSFET_FL_W_H.D@2610,3250.24 MOSFET_FL_W_H.D@2610,3379 ; MOSFET_BL_U_H.D@3160,3250.24 MOSFET_BL_U_H.D@3031.24,3379 ; MOSFET_BL_U_H.D@3210,3250.24 MOSFET_BL_V_H.D@3760,3250.24 ; v1(4720,2291) v5(4720,2300) v1(4720,2327.78) 4720,3230 ; MOSFET_FL_V_H.D@2088.76,3379 MOSFET_FL_W_H.D@2431.24,3379 ; MOSFET_FL_V_H.D@2088.76,3379 2132.1,3422.33 2387.9,3422.33 MOSFET_FL_W_H.D@2431.24,3379 ; MOSFET_FL_W_H.D@2431.24,3379 MOSFET_FL_W_H.D@2610,3379 ; MOSFET_FL_W_H.D@2610,3379 MOSFET_BL_U_H.D@3031.24,3379 ; MOSFET_BL_U_H.D@3031.24,3379 3631.24,3379 MOSFET_BL_V_H.D@3760,3250.24 ; MOSFET_BL_V_H.D@3760,3250.24 MOSFET_BL_V_H.D@3810,3250.24 ; MOSFET_BL_V_H.D@3810,3250.24 MOSFET_BL_V_H.D@3840,3250.24 ; MOSFET_BL_V_H.D@3810,3250.24 3810,3150 3840,3150 MOSFET_BL_V_H.D@3840,3250.24 ; MOSFET_BL_V_H.D@3840,3250.24 3860,3250.24 MOSFET_BL_W_H.D@4410,3250.24 4699.76,3250.24 4720,3230
  Bottom Layer w25: MOSFET_FL_U_H.D@1400.24,3260 MOSFET_FL_U_H.D@1410,3250.24 ; v2(1680,4800) 1710,4770 1710,3719.76 ; 4689.76,3719.76 4740,3770 v2(4740,4780)
  Bottom Layer w100: MOSFET_FL_U_H.D@1410,3250.24 MOSFET_FL_V_H.D@1960,3250.24 ; MOSFET_FR_U_H.D@1410,3719.76 1710,3719.76 MOSFET_FR_V_H.D@2010,3719.76 MOSFET_FR_W_H.D@2610,3719.76 MOSFET_BR_U_H.D@3210,3719.76 MOSFET_BR_V_H.D@3810,3719.76 MOSFET_BR_W_H.D@4410,3719.76 4689.76,3719.76 4720,3689.53 4720,3250 ; MOSFET_FL_V_H.D@2010,3250.24 MOSFET_FL_W_H.D@2560,3250.24 ; MOSFET_FL_W_H.D@2610,3250.24 MOSFET_BL_U_H.D@3160,3250.24 ; MOSFET_BL_U_H.D@3210,3250.24 MOSFET_BL_V_H.D@3760,3250.24 ; MOSFET_BL_V_H.D@3860,3250.24 MOSFET_BL_W_H.D@4410,3250.24 4410.24,3250 4720,3250 ; v5(4720,2300) 4720,3250
VCC_SERVO: Back_Left_?.2 Back_Right_?.2 Front_Left_?.2 Front_Right_?.2 Servo_Supply.2 | length 15536.1
  Top Layer w10: Front_Left_?.2@1810,1060 1755,1115 1263,1115 1044,1334 1044,3312 1019,3337 1019,4976 1063,5020 1132,5020 1192,5080 1192,5321 1116.04,5396.96 1054.48,5396.96 1054.48,5493.04 1228.96,5667.52 1228.96,5720 1268.96,5760 1660,5760 Front_Right_?.2@1830,5930 v1(1830,5861)
  Bottom Layer w10: Front_Left_?.2@1810,1060 2032,1282 3162,1282 3296,1148 3534.85,1148 3546.85,1160 Servo_Supply.2@3546.85,1230 3724,1230 3897.67,1403.67 4799.84,1403.67 5170.62,1032.9 6152.9,1032.9 Back_Left_?.2@6190,1070 ; v1(1830,5861) 5055,5861 5113,5919 5810,5919 5856,5873 6103,5873 Back_Right_?.2@6150,5920
pads on no net: ANYFC_F7.7 ANYFC_F7.8 Back_Left_Encoder.7 Back_Left_Encoder.8 Back_Right_Encoder.7 Back_Right_Encoder.8 Front_Left_Encoder.7 Front_Left_Encoder.8 Front_Right_Encoder.7 Front_Right_Encoder.8 J?.1 J?.4 J?.MH1 J?.MH2 J?.Shell STM32_?.2 STM32_?.7 STM32_?.8 STM32_?.9 STM32_?.10 STM32_?.11 STM32_?.12 STM32_?.13 STM32_?.16 STM32_?.17 STM32_?.18 STM32_?.19 STM32_?.20 STM32_?.21 STM32_?.22 STM32_?.23 STM32_?.24 STM32_?.31 STM32_?.35 STM32_?.38 STM32_?.43 STM32_?.46 STM32_?.47 STM32_?.49 STM32_?.57 STM32_?.58 STM32_?.64 STM32_?.65 STM32_?.66 STM32_?.67 STM32_?.68 STM32_?.69 STM32_?.70 STM32_?.71 STM32_?.74 STM32_?.75 STM32_?.76 STM32_?.77 STM32_?.78 STM32_?.79 STM32_?.80 STM32_?.84 STM32_?.86 STM32_?.89 STM32_?.95 STM32_?.97 STM32_?.98 STM32_?.106 STM32_?.107 STM32_?.108 STM32_?.109 STM32_?.110 STM32_?.111 STM32_?.120 STM32_?.121 STM32_?.123 STM32_?.124 STM32_?.126 STM32_?.127 STM32_?.129 STM32_?.130 STM32_?.131 STM32_?.132 STM32_?.133 STM32_?.134 STM32_?.135 STM32_?.142 STM32_?.143 STM32_?.144 STM32_?.147 STM32_?.151 STM32_?.152 STM32_?.153 STM32_?.155 STM32_?.156 STM32_?.157 STM32_?.159 STM32_?.163 STM32_?.164 STM32_?.165 STM32_?.166 STM32_?.167 STM32_?.168 STM32_?.169 STM32_?.172 STM32_?.174 STM32_?.175 STM32_?.176 STM32_?.177 STM32_?.179 STM32_?.181 STM32_?.182 STM32_?.183 STM32_?.186 STM32_?.187 STM32_?.188 STM32_?.189 STM32_?.190 STM32_?.191 STM32_?.195 STM32_?.196 STM32_?.199 STM32_?.200 STM32_?.201 STM32_?.203 STM32_?.205 STM32_?.206 STM32_?.207 STM32_?.208 TO1.7 TO1.10 TO2.7 TO2.10 TO3.7 TO3.10 TO4.7 TO4.10 TO5.7 TO5.10 TO6.7 TO6.10 Transistor_Buzzer.3 Transistor_Buzzer.4 Transistor_Buzzer.5
copper on no net:
  other v3: 2160,1480 5790,1480 5790,5530 2180,5540

## Silkscreen, mask and mechanical layers (free items; w line width, h text height)
Top Overlay:
  circle w10: c5790,5530 r92.2
  circle w10: c2180,5540 r90
  circle w10: c2160,1480 r90.55
  circle w10: c5790,1480 r85.44
  text "PW" at 6460,6810 h160 r270
  text "Marek Knosala" at 5290,6770 h60
  text "Designed by" at 4300,6710 h60
  text "MK_ESC ver 1.0" at 4930,6470 h60
  text "-" at 1710,5800 h60
  text "+" at 1810,5800 h60
  text "S" at 1920,5800 h60
  text "S" at 6030,5790 h60
  text "+" at 6130,5790 h60
  text "-" at 6240,5790 h60
  text "LED" at 4530,5680 h60
  text "R" at 1090,5520 h60
  text "Y" at 1540,5510 h60
  text "R" at 6880,5510 h60
  text "Y" at 6450,5500 h60
  text "R22" at 4990,5460 h60
  text "C" at 2820,5330 h60
  text "R" at 3120,5330 h60
  text "C" at 3390,5320 h60
  text "R" at 3680,5320 h60
  text "C" at 3950,5320 h60
  text "R" at 4240,5320 h60
  text "FR" at 1140,4770 h60
  text "BR" at 6570,4710 h60
  text "2u2F" at 6920,4440 h60 r90
  text "10uF" at 6930,4110 h60 r90
  text "10nF" at 6930,3780 h60 r90
  text "Selfie v5" at 2240,3430 h130
  text "2u2F / ESR" at 6310,3180 h60
  text "Warszawska" at 750,3080 h100 r90
  text "100nF" at 6940,3080 h60 r90
  text "KNR" at 7620,3060 h160 r300
  text "PNP_Buzzer" at 5980,2990 h60
  text "Politechnika" at 580,2960 h100 r90
  text "R10k" at 6340,2740 h60
  text "MEiL" at 10800,2010 h120 r90
  text "16V / MOTOR" at 2630,1750 h60
  text "FL" at 710,1680 h60
  text "5-7V" at 3330,1550 h60
  text "SERVO" at 3290,1440 h60
  text "3V3 / STM32" at 4480,1440 h60
  text "5V / MOSFET" at 3860,1420 h60
  text "Y" at 1500,1380 h60
  text "Y" at 6430,1380 h60
  text "R" at 6880,1380 h60
  text "R" at 1100,1370 h60
  text "BL" at 7380,1320 h60
  text "-" at 1690,1140 h60
  text "+" at 1730,1140 h60
  text "S" at 1840,1140 h60
  text "S" at 6070,1140 h60
  text "+" at 6170,1140 h60
  text "-" at 6270,1140 h60
Bottom Overlay:
  text "R_PNP_NPN" at 8020,3680 h60 r180
  text "Mosfets" at 4530,3290 h60 r270
  text "Opto-isolators" at 6820,3130 h60 r270